# Altium PCB KASLI-DIOT-CPU.PcbDoc (part 4 of 5) (continued)
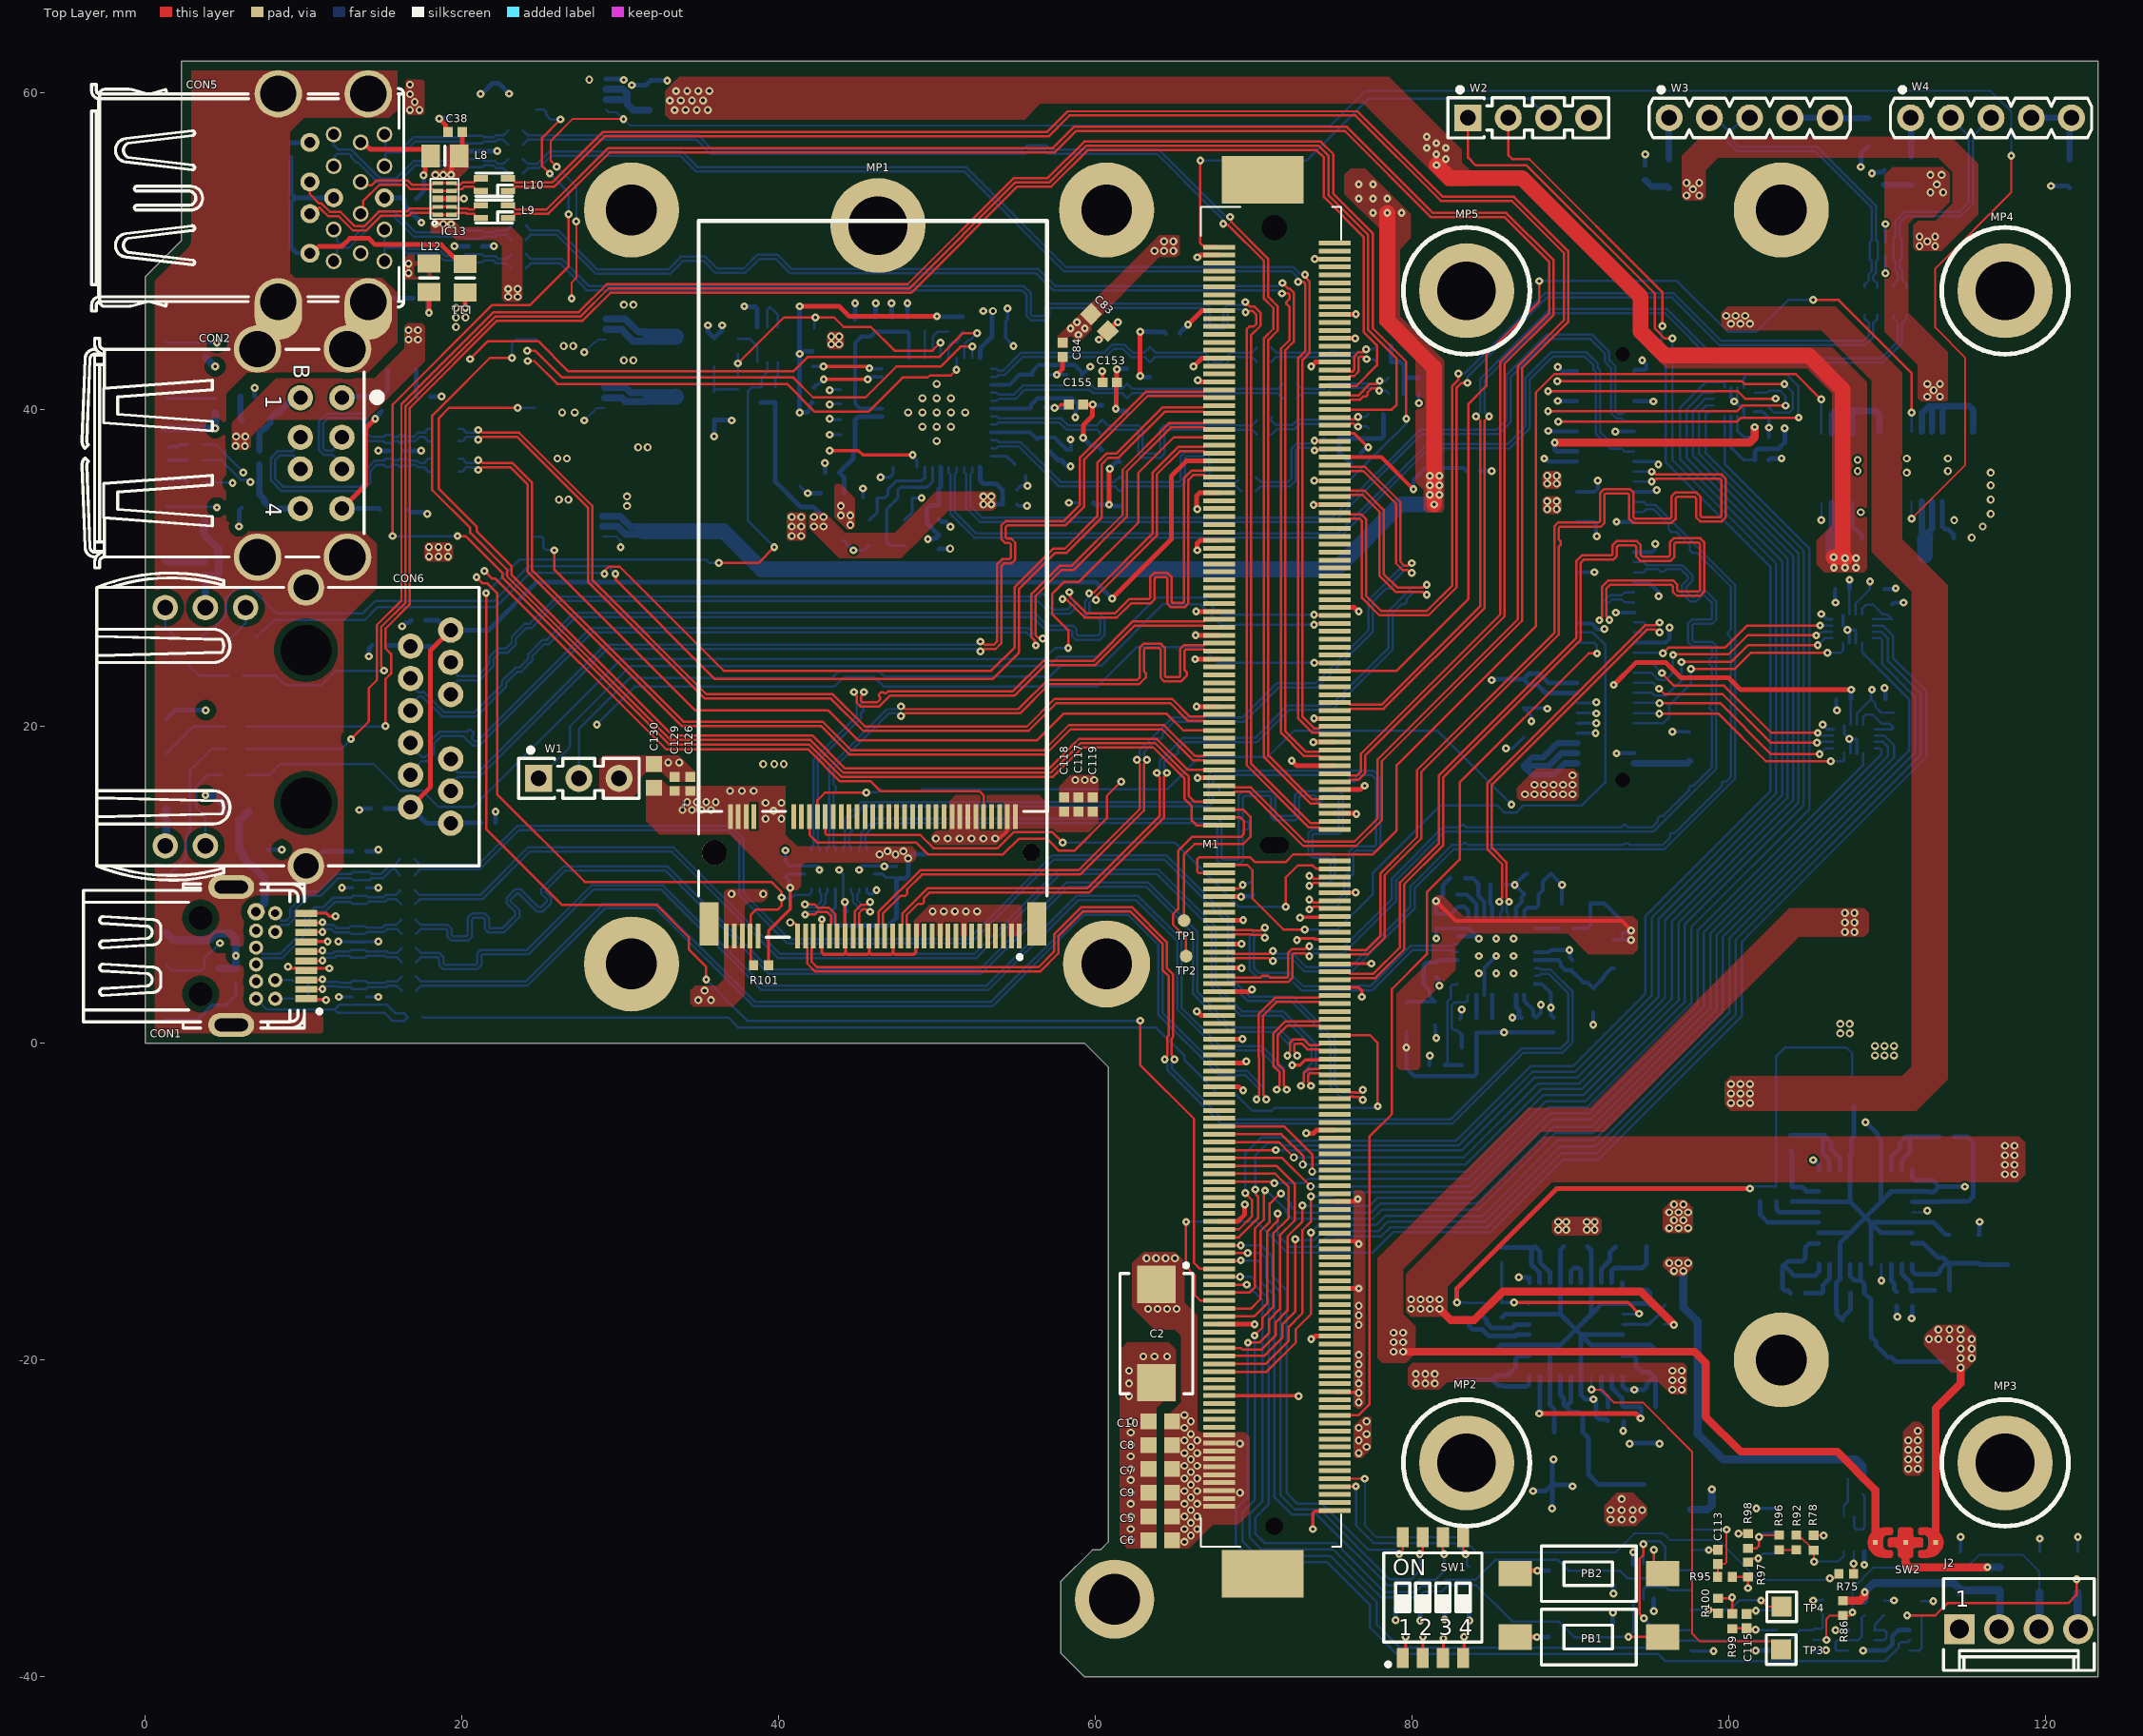
[diagram p0: Top Layer view]
## Nets (pads, with @x,y where several pads share a name; then routed paths per layer and width w, separated by ;. In a path a pad name is that pad's centre, name@x,y a point inside that pad or via, vN(x,y) a via of type N, cw(c..) or ccw(c..) an arc to the next point about the centre after c; other vN are vias at no path point) (continued)
  Bottom Layer w0.15: v1(73.495,5.492) 73.583,5.492 73.758,5.667 75.657,5.667 78.982,8.992 78.982,10.294 82.054,13.365 95.251,13.365 99.19,17.305 99.19,25.099 98.944,25.345 97.768,25.345 97.68,25.433 97.68,26.382 97.768,26.47 98.944,26.47 99.19,26.716 99.19,27.903 98.544,28.549 98.196,28.549 97.794,28.147 97.669,28.147 97.282,28.534 97.282,28.779 97.695,29.192 97.695,29.54 97.05,30.185 94.783,30.185 94.6,30.367 J1.40@94,30.367
PCIe1_TX_P: J1.42 M1.P89 | length 59.7
  Top Layer w0.15: M1.P89@67.8,4.25 68.65,4.25 68.765,4.135 70.415,4.135 70.415,4.147 70.524,4.256 70.906,4.256 71.028,4.135 72.066,4.135 72.153,4.223 72.153,5.691 72.399,5.937 73.232,5.937 73.407,6.112 v1(73.495,6.112)
  Bottom Layer w0.15: v1(73.495,6.112) 73.583,6.112 73.758,5.937 75.545,5.937 78.712,9.104 78.712,10.406 81.942,13.635 82.977,13.635 83.103,13.762 83.274,13.762 83.401,13.635 93.194,13.635 93.32,13.761 93.477,13.761 93.604,13.635 95.139,13.635 95.505,14.002 95.505,14.176 95.673,14.343 95.847,14.343 97.461,15.958 97.461,16.136 97.549,16.224 97.727,16.224 98.92,17.417 98.92,20.992 98.77,21.142 98.77,21.267 98.92,21.417 98.92,23.781 98.768,23.933 98.768,24.213 98.92,24.364 98.92,24.988 98.832,25.075 97.656,25.075 97.41,25.321 97.41,26.494 97.656,26.74 98.832,26.74 98.92,26.827 98.92,27.791 98.432,28.279 98.308,28.279 97.906,27.877 97.558,27.877 97.012,28.422 97.012,28.891 97.425,29.304 97.425,29.428 96.938,29.915 96.022,29.915 95.881,29.774 95.678,29.774 95.537,29.915 94.783,29.915 94.6,29.732 J1.42@94,29.732
PCIe2_CLK_N: IC22.19
PCIe2_CLK_P: IC22.18
PCIe2_rst_3V3: M1.S76
PCIe2_RX_N: J1.22 M1.S88 | length 59.6
  Top Layer w0.15: M1.S88@75.1,5.5 75.95,5.5 76.065,5.615 77.208,5.615 78.248,6.655 78.248,10.59 80.57,12.912 80.57,17.122 89.234,25.786 89.234,31.331 89.358,31.455 89.358,31.697 89.234,31.821 89.234,32.512 89.322,32.6 91.895,32.6 92.141,32.846 92.141,34.631 92.229,34.719 93.617,34.719 93.705,34.631 93.705,33.093 93.951,32.847 96.377,32.847 96.623,33.093 96.623,34.396 96.711,34.484 97.836,34.484 97.924,34.396 97.924,33.19 98.17,32.944 99.541,32.944 99.787,33.19 99.787,35.647 99.541,35.893 95.384,35.893 95.201,36.076 v1(95.122,36.076)
  Bottom Layer w0.15: J1.22@94,36.082 94.003,36.079 95.118,36.079 v1(95.122,36.076)
PCIe2_RX_P: J1.24 M1.S87 | length 58.6
  Top Layer w0.15: M1.S87@75.1,6 75.95,6 76.065,5.885 77.097,5.885 77.978,6.767 77.978,10.702 80.3,13.023 80.3,17.234 88.964,25.897 88.964,32.624 89.21,32.87 91.783,32.87 91.871,32.958 91.871,34.743 92.117,34.989 93.729,34.989 93.975,34.743 93.975,33.204 94.063,33.117 96.265,33.117 96.353,33.204 96.353,34.508 96.599,34.754 97.948,34.754 98.194,34.508 98.194,33.302 98.282,33.214 99.43,33.214 99.517,33.302 99.517,35.535 99.43,35.623 95.38,35.623 95.203,35.446 v1(95.118,35.446)
  Bottom Layer w0.15: J1.24@94,35.447 95.118,35.447 v1(95.118,35.446)
PCIe2_TX_N: J1.46 M1.S91 | length 59.7
  Top Layer w0.15: M1.S91@75.1,4 75.95,4 76.065,4.115 77.675,4.115 79.49,5.93 79.49,10.024 81.94,12.474 81.94,16.772 90.618,25.451 90.618,30.315 90.82,30.517 92.679,30.517 92.925,30.763 92.925,31.33 93.013,31.417 94.062,31.417 94.15,31.33 94.15,30.71 94.426,30.435 96.288,30.435 96.534,30.681 96.534,31.516 96.622,31.604 98.072,31.604 98.16,31.516 98.16,28.608 98.072,28.52 96.808,28.52 96.72,28.608 96.72,28.971 96.474,29.217 92.394,29.217 91.974,28.797 91.974,26.929 91.82,26.775 v1(91.82,26.7)
  Bottom Layer w0.15: v1(91.82,26.7) 91.82,26.78 91.998,26.958 91.998,27.801 92.477,28.28 93.217,28.28 93.4,28.462 J1.46@94,28.462
PCIe2_TX_P: J1.48 M1.S90 | length 59.7
  Top Layer w0.15: M1.S90@75.1,4.5 75.95,4.5 76.065,4.385 77.563,4.385 79.22,6.042 79.22,10.136 81.67,12.586 81.67,16.884 90.348,25.562 90.348,30.427 90.708,30.787 92.567,30.787 92.655,30.874 92.655,31.441 92.901,31.687 94.174,31.687 94.42,31.441 94.42,30.822 94.537,30.705 96.177,30.705 96.264,30.792 96.264,31.628 96.51,31.874 98.184,31.874 98.43,31.628 98.43,28.496 98.184,28.25 96.696,28.25 96.45,28.496 96.45,28.859 96.362,28.947 92.505,28.947 92.244,28.685 92.244,26.983 92.445,26.782 v1(92.445,26.72)
  Bottom Layer w0.15: v1(92.445,26.72) 92.445,26.805 92.268,26.983 92.268,27.689 92.588,28.01 93.217,28.01 93.4,27.827 J1.48@94,27.827
PCIe3_CLK_N: *.53 IC22.23 | length 69.7
  Top Layer w0.15: *.53@42.19,6.758 42.19,6.133 42.075,6.018 42.075,5.137 42.42,4.792 56.395,4.792 57.38,5.777 57.38,6.844 59.123,8.587 62.286,8.587 64.49,6.383 64.49,4.751 64.907,4.334 64.907,0.384 64.817,0.294 64.817,-0.772 64.992,-0.947 v1(64.992,-1.035)
  Bottom Layer w0.15: v1(64.992,-1.035) 64.992,-1.13 64.985,-1.13 64.817,-1.298 64.817,-1.585 68.051,-4.819 82.408,-4.819 86.883,-0.345 89.351,-0.345 89.862,0.166 89.862,3.129 88.626,4.365 88.115,4.365 88,4.25 IC22.23@87.75,4.25
PCIe3_CLK_P: *.55 IC22.22 | length 71.1
  Top Layer w0.15: *.55@41.69,6.758 41.69,6.133 41.805,6.018 41.805,5.025 42.308,4.522 56.507,4.522 57.65,5.665 57.65,6.732 59.235,8.317 62.174,8.317 64.22,6.271 64.22,4.639 64.637,4.222 64.637,0.496 64.547,0.406 64.547,-0.772 64.372,-0.947 v1(64.372,-1.035)
  Bottom Layer w0.15: v1(64.372,-1.035) 64.372,-1.123 64.547,-1.298 64.547,-1.696 67.939,-5.089 82.52,-5.089 86.995,-0.615 89.463,-0.615 90.132,0.054 90.132,3.241 88.738,4.635 88.115,4.635 88,4.75 IC22.22@87.75,4.75
PCIe3_CLKREQ#: *.52 D11.1 | length 5.3
  Top Layer w0.15: *.52@42.44,14.308 42.44,15.337 42.92,15.817 v1(45.52,15.817)
  Bottom Layer w0.15: v1(45.52,15.817) 45.957,15.817 45.982,15.842 46.245,15.842 D11.1@46.42,16.017
PCIe3_RST: *.50 M1.S77 | length 38.2
  Top Layer w0.15: *.50@42.94,14.308 42.94,13.234 43.028,13.147 48.94,13.147 49.77,12.317 53.82,12.317 54.842,13.338 57.248,13.338 v1(57.92,12.667) ; v1(72.02,8.617) 72.02,10.472 72.765,11.217 73.72,11.217 73.937,11 M1.S77@75.1,11
  Bottom Layer w0.15: v1(57.92,12.667) 64.998,12.667 69.048,8.617 v1(72.02,8.617)
PCIe3_RX_N: IC21.18 M1.S79 | length 52.9
  Top Layer w0.15: v1(73.495,9.94) 73.495,9.942 73.608,10.055 73.694,10.055 73.753,10.115 74.135,10.115 74.25,10 M1.S79@75.1,10
  Bottom Layer w0.15: IC21.18@45.07,12.142 45.07,12.372 45.185,12.487 45.185,13.266 46.073,14.154 67.722,14.154 67.968,13.908 67.968,11.661 68.056,11.573 68.955,11.573 69.043,11.661 69.043,15.642 69.289,15.888 71.108,15.888 71.354,15.642 71.354,14.424 71.442,14.336 72.501,14.336 72.588,14.424 72.588,15.652 72.834,15.898 75.374,15.898 75.62,15.652 75.62,13.463 75.374,13.217 73.796,13.217 73.708,13.129 73.708,12.074 73.796,11.987 74.808,11.987 75.115,11.68 75.115,10.505 74.725,10.115 73.758,10.115 73.583,9.94 v1(73.495,9.94)
PCIe3_RX_P: IC21.19 M1.S78 | length 52.9
  Top Layer w0.15: v1(73.495,10.56) 73.578,10.56 73.753,10.385 74.135,10.385 74.25,10.5 M1.S78@75.1,10.5
  Bottom Layer w0.15: IC21.19@45.57,12.142 45.57,12.372 45.455,12.487 45.455,13.154 46.185,13.884 47.138,13.884 47.306,13.717 47.515,13.717 47.682,13.884 67.61,13.884 67.698,13.796 67.698,11.549 67.944,11.303 69.067,11.303 69.313,11.549 69.313,13.427 69.4,13.514 69.616,13.514 69.704,13.602 69.704,13.892 69.616,13.98 69.4,13.98 69.313,14.068 69.313,15.53 69.4,15.618 70.996,15.618 71.084,15.53 71.084,14.312 71.33,14.066 72.612,14.066 72.858,14.312 72.858,15.54 72.946,15.628 73.844,15.628 73.932,15.54 73.932,15.304 74.02,15.217 74.222,15.217 74.31,15.304 74.31,15.54 74.398,15.628 75.262,15.628 75.35,15.54 75.35,13.574 75.262,13.487 73.684,13.487 73.438,13.241 73.438,11.963 73.684,11.717 74.697,11.717 74.845,11.568 74.845,10.617 74.613,10.385 73.758,10.385 73.583,10.56 v1(73.495,10.56)
PCIe3_TX_N: IC21.16 M1.S82 | length 51.9
  Top Layer w0.15: v1(73.495,8.44) 73.495,8.442 73.608,8.555 73.719,8.555 73.778,8.615 74.135,8.615 74.25,8.5 M1.S82@75.1,8.5
  Bottom Layer w0.15: IC21.16@44.07,12.142 44.07,12.372 44.185,12.487 44.185,14.211 45.191,15.217 67.067,15.217 67.155,15.304 67.155,16.941 67.401,17.187 77.566,17.187 77.99,16.763 77.99,12.405 77.732,12.147 76.448,12.147 76.29,11.989 76.29,10.699 75.975,10.384 75.975,9.365 75.225,8.615 73.758,8.615 73.583,8.44 v1(73.495,8.44)
PCIe3_TX_P: IC21.17 M1.S81 | length 51.9
  Top Layer w0.15: v1(73.495,9.06) 73.59,9.06 73.765,8.885 73.778,8.885 74.135,8.885 74.25,9 M1.S81@75.1,9
  Bottom Layer w0.15: IC21.17@44.57,12.142 44.57,12.372 44.455,12.487 44.455,13.229 44.618,13.392 44.618,13.516 44.455,13.678 44.455,14.099 44.732,14.376 44.927,14.376 45.075,14.525 45.075,14.719 45.303,14.947 67.178,14.947 67.424,15.193 67.424,15.643 67.512,15.731 67.723,15.731 67.811,15.819 67.811,16.061 67.723,16.149 67.512,16.149 67.424,16.237 67.424,16.829 67.512,16.917 75.914,16.917 76.011,16.819 76.011,16.614 76.108,16.517 76.354,16.517 76.442,16.604 76.442,16.829 76.53,16.917 77.455,16.917 77.72,16.651 77.72,12.517 77.62,12.417 76.336,12.417 76.099,12.179 76.02,12.1 76.02,10.811 75.705,10.496 75.705,9.477 75.113,8.885 73.758,8.885 73.583,9.06 v1(73.495,9.06)
PCIe4_CLK_N: IC22.28
PCIe4_CLK_P: IC22.27
PCIe4_RX_N: *.29 M1.S33 | length 57.6
  Top Layer w0.15: *.29@48.19,6.758 48.19,7.383 48.075,7.498 48.075,8.072 48.793,8.79 49.075,8.79 49.163,8.878 49.163,9.16 49.501,9.498 59.597,9.498 64.321,14.222 64.321,16.047 64.32,16.048 64.32,16.798 64.495,16.973 v1(64.495,17.061) ; M1.S33@75.1,34.5 75.95,34.5 76.065,34.615 76.872,34.615 77.923,33.564 77.923,29.514 78.945,28.492 80.657,28.492 80.832,28.317 v1(80.92,28.317)
  Bottom Layer w0.15: v1(64.495,17.061) 64.495,17.149 64.32,17.324 64.32,17.696 64.858,18.234 65.123,18.234 65.211,18.322 65.211,18.587 65.617,18.993 70.178,18.993 72.232,21.047 74.971,21.047 78.782,24.857 78.782,27.175 79.329,27.721 79.517,27.721 79.645,27.85 79.645,28.038 80.099,28.492 80.657,28.492 80.832,28.317 v1(80.92,28.317)
PCIe4_RX_P: *.31 M1.S32 | length 57.6
  Top Layer w0.15: *.31@47.69,6.758 47.69,7.383 47.805,7.498 47.805,8.183 49.389,9.768 59.485,9.768 64.051,14.333 64.051,15.935 64.05,15.936 64.05,16.798 63.875,16.973 v1(63.875,17.061) ; M1.S32@75.1,35 75.95,35 76.065,34.885 76.984,34.885 78.193,33.676 78.193,29.626 79.057,28.762 80.657,28.762 80.832,28.937 v1(80.92,28.937)
  Bottom Layer w0.15: v1(63.875,17.061) 63.875,17.149 64.05,17.324 64.05,17.808 65.505,19.263 70.067,19.263 72.12,21.317 74.859,21.317 78.512,24.969 78.512,27.286 79.987,28.762 80.657,28.762 80.832,28.937 v1(80.92,28.937)
PCIe4_TX_N: *.35 M1.S30 | length 57.6
  Top Layer w0.15: *.35@46.69,6.758 46.69,7.383 46.575,7.498 46.575,8.172 47.703,9.3 47.991,9.3 48.11,9.419 48.11,9.707 49.05,10.647 59.031,10.647 63.065,14.681 63.065,16.924 63.065,17.621 63.24,17.796 v1(63.24,17.884) ; M1.S30@75.1,36 75.95,36 76.065,36.115 76.912,36.115 78.977,34.05 78.977,30.29 79.396,29.872 79.703,29.872 79.889,29.686 v1(79.966,29.686)
  Bottom Layer w0.15: v1(63.24,17.884) 63.24,17.972 63.065,18.147 63.065,18.391 63.906,19.233 64.136,19.233 64.224,19.321 64.224,19.55 64.955,20.281 69.385,20.281 71.55,22.447 73.984,22.447 77.51,25.973 77.51,27.864 78.359,28.714 78.586,28.714 78.773,28.901 78.773,29.128 79.506,29.861 79.703,29.861 79.878,29.686 v1(79.966,29.686)
PCIe4_TX_P: *.37 M1.S29 | length 57.6
  Top Layer w0.15: *.37@46.19,6.758 46.19,7.383 46.305,7.498 46.305,8.283 48.938,10.917 58.919,10.917 62.795,14.793 62.795,16.812 62.795,17.621 62.62,17.796 v1(62.62,17.884) ; M1.S29@75.1,36.5 75.95,36.5 76.065,36.385 77.024,36.385 79.247,34.162 79.247,30.402 79.508,30.141 79.707,30.141 79.871,30.306 v1(79.966,30.306)
  Bottom Layer w0.15: v1(62.62,17.884) 62.62,17.972 62.795,18.147 62.795,18.503 64.843,20.551 69.273,20.551 71.438,22.717 73.872,22.717 77.24,26.084 77.24,27.976 79.395,30.131 79.703,30.131 79.878,30.306 v1(79.966,30.306)
PCIe_CLK_N: IC22.6 M1.P84 | length 20.3
  Top Layer w0.15: M1.P84@67.8,6.75 68.65,6.75 68.765,6.865 69.802,6.865 69.825,6.842 70.432,6.842 70.607,6.667 v1(70.695,6.667)
  Bottom Layer w0.15: v1(70.695,6.667) 70.695,6.817 70.67,6.842 70.192,6.842 70.012,6.661 70.012,4.731 70.306,4.437 72.275,4.437 73.122,3.589 76.481,3.589 76.524,3.632 77.116,3.632 77.159,3.589 77.341,3.589 79.886,6.135 82.485,6.135 82.6,6.25 IC22.6@82.85,6.25
PCIe_CLK_P: IC22.5 M1.P83 | length 21.2
  Top Layer w0.15: M1.P83@67.8,7.25 68.65,7.25 68.765,7.135 69.914,7.135 69.937,7.112 70.432,7.112 70.607,7.287 v1(70.695,7.287)
  Bottom Layer w0.15: v1(70.695,7.287) 70.695,7.137 70.67,7.112 70.08,7.112 69.742,6.773 69.742,4.619 70.194,4.167 72.163,4.167 73.011,3.319 76.593,3.319 76.636,3.362 77.004,3.362 77.047,3.319 77.452,3.319 79.998,5.865 82.485,5.865 82.6,5.75 IC22.5@82.85,5.75
PCIe_Wake_3V3: *.54 J1.55 M1.S146 | length 116.4
  Top Layer w0.15: *.54@41.94,14.308 41.94,13.147 42.42,12.667 48.67,12.667 49.42,11.917 54.17,11.917 55.17,12.917 56.92,12.917 57.67,12.167 58.686,12.167 60.72,14.201 60.72,15.617 v1(61.62,16.517) ; M1.S146@75.1,-23.5 76.603,-23.5 77.282,-22.821 77.282,-5.921 78.72,-4.483 78.72,3.417 80.92,5.617 80.92,9.517 82.992,11.589 82.992,16.46 91.149,24.617 91.642,24.617 v1(91.664,24.595)
  Layer 2 w0.15: v1(61.62,16.517) 61.988,16.149 69.952,16.149 70.82,17.017 76.137,17.017 83.737,24.617 91.642,24.617 v1(91.664,24.595)
  Bottom Layer w0.15: J1.55@90.4,25.287 91.449,25.287 91.664,25.073 v1(91.664,24.595)
PCIeA_CKREQ: M1.P78 R1.1 | length 2.4
  Top Layer w0.15: M1.P78@67.8,9.75 69.028,9.75 69.279,10.001 v1(69.291,10.001)
  Bottom Layer w0.15: v1(69.291,10.001) 69.386,10.001 69.487,10.102 69.705,10.102 R1.1@69.92,10.317
PCIeB_CKREQ: M1.P77
PCIeB_CLK_N: M1.S85
PCIeB_CLK_P: M1.S84
PCIeC_CLK_N: M1.P81
PCIeC_CLK_P: M1.P80
PHY_RSTn: IC17.43 R22.1 R33.1 R41.2 | length 18.1
  Top Layer w0.15: v1(37.42,42.917) 40.32,45.817 v1(42.32,45.817) 43.497,45.817 44.097,45.217 45.82,45.217 47.32,43.717 49.7,43.717 v1(50.213,44.229)
  Bottom Layer w0.15: R22.1@37.42,42.217 v1(37.42,42.917) R41.2@37.42,43.517 ; R33.1@42.26,45.117 42.26,45.757 v1(42.32,45.817) ; v1(50.213,44.229) 50.22,44.222 IC17.43@50.22,43.267
PWR_GOOD: IC19.26 IC20.11 R100.2 TP4.1 | length 31.2
  Top Layer w0.12: v1(102.02,-35.183) 102.42,-35.583 TP4.1@103.32,-35.583
  Top Layer w0.15: v1(98.72,-35.783) 98.722,-35.785 99.085,-35.785 R100.2@99.3,-36
  Layer 1 w0.15: v1(102.02,-35.183) 102.72,-34.483 102.72,-30.983 107.62,-26.083 107.62,-16.983 v1(109.62,-14.983)
  Bottom Layer w0.15: IC20.11@97.6,-35.805 97.622,-35.783 v1(98.72,-35.783) 100.045,-35.783 100.645,-35.183 v1(102.02,-35.183) ; IC19.26@109.6,-13.963 109.6,-14.963 v1(109.62,-14.983)
PWRBTN#_1V8: C114.2 D6.1 M1.P128 PB1.1 T5.6 | length 50.3
  Top Layer w0.15: M1.P128@67.8,-15.25 69.536,-15.25 v1(69.543,-15.244) ; v1(93.645,-37.483) 95.783,-37.483 PB1.1@95.8,-37.5
  Bottom Layer w0.15: v1(69.543,-15.244) 70.545,-16.246 70.545,-28.92 69.72,-29.745 69.72,-31.208 70.47,-31.958 74.995,-31.958 78.02,-34.983 80.395,-34.983 80.745,-34.633 81.845,-34.633 82.27,-34.208 84.02,-34.208 86.32,-36.508 89.245,-36.508 90.237,-37.5 D6.1@91.2,-37.5 92.653,-37.5 C114.2@92.67,-37.483 v1(93.645,-37.483) 93.95,-37.178 T5.6@93.95,-35.1
RESET_BTN#_1V8: C116.2 D9.1 M1.P127 PB2.1 T5.3 | length 50.5
  Top Layer w0.15: M1.P127@67.8,-14.75 69.128,-14.75 v1(69.137,-14.758) ; v1(95.245,-31.983) 95.245,-32.945 PB2.1@95.8,-33.5
  Bottom Layer w0.15: v1(69.137,-14.758) 69.857,-14.758 70.07,-14.971 70.07,-15.283 70.92,-16.133 70.92,-29.12 70.095,-29.945 70.095,-30.983 70.67,-31.558 75.145,-31.558 78.245,-34.658 80.195,-34.658 80.57,-34.283 81.67,-34.283 82.07,-33.883 83.995,-33.883 85.27,-32.608 89.17,-32.608 89.862,-33.3 D9.1@91.2,-33.3 92.653,-33.3 C116.2@92.67,-33.283 92.692,-33.305 93.117,-33.305 93.595,-33.783 94.995,-33.783 95.25,-33.528 T5.3@95.25,-32.9 95.25,-31.988 v1(95.245,-31.983)
RESET_OUT#_1V8: M1.P126 R68.1 T2.5 | length 113.4
  Top Layer w0.15: v1(21.52,28.417) 21.52,13.517 26.32,8.717 32.293,8.717 34.32,6.69 34.32,5.917 35.42,4.817 v1(35.42,4.017) ; v1(36.22,30.317) 38.72,30.317 v1(39.72,31.317) ; v1(62.82,1.417) 62.82,-1.383 66.22,-4.783 66.22,-13.883 66.587,-14.25 M1.P126@67.8,-14.25
  Bottom Layer w0.15: v1(21.52,28.417) 23.62,30.517 35.42,30.517 35.62,30.317 v1(36.22,30.317) ; v1(35.42,4.017) 38.039,1.397 62.801,1.397 v1(62.82,1.417) ; T2.5@39.287,42.988 39.287,42.384 38.92,42.017 38.92,41.42 R68.1@38.887,41.387 38.285,41.387 38.055,41.157 38.055,32.981 v1(39.72,31.317)
S3_RX_N: J1.34
S3_RX_P: J1.36
S3_TX_N: J1.4
S3_TX_P: J1.6
SATA0_RX_N: IC21.15 M1.P52 | length 38.2
  Top Layer w0.15: v1(47.72,20.642) 47.808,20.642 47.983,20.817 55.237,20.817 57.085,22.664 62.757,22.664 63.182,23.089 63.182,23.347 63.049,23.481 63.049,24.855 63.137,24.943 64.018,24.943 64.106,24.855 64.106,23.081 64.352,22.835 65.383,22.835 65.773,23.225 65.773,23.406 65.629,23.549 65.629,24.777 65.717,24.865 66.835,24.865 66.95,24.75 M1.P52@67.8,24.75
  Bottom Layer w0.15: IC21.15@43.57,12.142 43.57,12.372 43.455,12.487 43.455,15.803 43.593,15.941 43.593,16.213 43.455,16.351 43.455,17.323 46.049,19.917 46.219,19.917 46.307,20.004 46.307,20.175 46.949,20.817 47.57,20.817 47.72,20.667 v1(47.72,20.642)
SATA0_RX_P: IC21.14 M1.P51 | length 38.2
  Top Layer w0.15: v1(47.72,21.262) 47.808,21.262 47.983,21.087 55.125,21.087 56.973,22.934 62.643,22.934 62.779,23.071 62.779,24.966 63.025,25.212 64.13,25.212 64.376,24.966 64.376,23.193 64.464,23.105 65.271,23.105 65.359,23.193 65.359,24.889 65.605,25.135 66.835,25.135 66.95,25.25 M1.P51@67.8,25.25
  Bottom Layer w0.15: IC21.14@43.07,12.142 43.07,12.372 43.185,12.487 43.185,17.435 46.837,21.087 47.57,21.087 47.72,21.237 v1(47.72,21.262)
SATA0_TX_N: IC21.12 M1.P49 | length 37.2
  Top Layer w0.15: v1(44.75,22.167) 44.75,22.079 44.925,21.904 44.925,21.493 45.171,21.247 46.332,21.247 47.032,21.947 54.9,21.947 56.809,23.856 59.967,23.856 62.477,26.365 66.835,26.365 66.95,26.25 M1.P49@67.8,26.25
  Bottom Layer w0.15: IC21.12@42.07,12.142 42.07,12.372 42.185,12.487 42.185,17.889 44.92,20.624 44.92,21.436 44.925,21.441 44.925,21.904 44.75,22.079 v1(44.75,22.167)
SATA0_TX_P: IC21.13 M1.P48 | length 37.2
  Top Layer w0.15: v1(45.37,22.167) 45.37,22.079 45.195,21.904 45.195,21.604 45.283,21.517 46.22,21.517 46.406,21.703 46.406,21.827 46.33,21.903 46.33,22.027 46.47,22.167 46.594,22.167 46.67,22.091 46.794,22.091 46.92,22.217 54.788,22.217 56.697,24.126 59.856,24.126 62.365,26.635 66.835,26.635 66.95,26.75 M1.P48@67.8,26.75
  Bottom Layer w0.15: IC21.13@42.57,12.142 42.57,12.372 42.455,12.487 42.455,17.777 45.19,20.512 45.19,20.841 45.356,21.006 45.356,21.131 45.195,21.291 45.195,21.904 45.37,22.079 v1(45.37,22.167)
SER0_CTS: IC1.7 M1.P132 | length 76.5
  Top Layer w0.15: M1.P132@67.8,-17.25 70.003,-17.25 70.845,-16.408 70.845,-11.883 71.495,-11.233 v1(71.495,-10.758)
  Bottom Layer w0.15: v1(71.495,-10.758) 71.495,-12.083 72.267,-12.855 73.948,-12.855 74.595,-12.208 78.02,-12.208 78.595,-11.633 84.719,-11.633 89.406,-6.946 91.657,-6.946 100.42,1.817 100.42,6.517 112.089,18.185 112.089,22.073 110.02,24.142 110.02,25.569 109.622,25.967 IC1.7@109.1,25.967
SER0_RTS: IC2.7 M1.P131 | length 65.3
  Top Layer w0.15: M1.P131@67.8,-16.75 69.828,-16.75 70.419,-16.16 70.419,-11.86 70.994,-11.285 70.994,-10.135 71.629,-9.499 v1(71.711,-9.499)
  Bottom Layer w0.15: v1(71.711,-9.499) 72.333,-10.121 72.333,-10.321 72.702,-10.69 77.42,-10.69 77.978,-10.132 84.076,-10.132 88.925,-5.283 91.32,-5.283 98.82,2.217 98.82,6.917 110.02,18.117 110.02,18.717 109.72,19.017 IC2.7@109.175,19.017
SER0_RX: IC1.6 M1.P130 | length 79.9
  Top Layer w0.15: v1(65.72,-11.283) 65.72,-14.114 66.275,-14.669 66.275,-15.919 66.607,-16.25 M1.P130@67.8,-16.25
  Bottom Layer w0.15: v1(65.72,-11.283) 70.179,-11.283 72.129,-13.233 77.495,-13.233 78.795,-11.933 84.945,-11.933 89.506,-7.373 91.731,-7.373 100.82,1.717 100.82,6.417 112.461,18.058 112.461,22.224 110.349,24.337 110.349,25.731 109.713,26.367 IC1.6@109.1,26.367
SER0_TX: IC2.6 M1.P129 | length 66.2
  Top Layer w0.15: M1.P129@67.8,-15.75 69.726,-15.75 70.061,-15.416 70.061,-11.71 70.633,-11.137 v1@70.633,-9.467
  Bottom Layer w0.15: v1(70.704,-9.298) 70.798,-9.298 71.997,-10.498 71.997,-10.631 72.457,-11.091 77.509,-11.091 78.07,-10.53 84.173,-10.53 89.018,-5.686 91.418,-5.686 99.22,2.117 99.22,6.817 110.42,18.017 110.42,18.817 109.82,19.417 IC2.6@109.175,19.417
SER2_CTS: IC1.9 M1.P139 | length 74.1
  Top Layer w0.15: M1.P139@67.8,-20.75 70.803,-20.75 72.645,-18.908 72.645,-18.058 73.611,-17.092 v1(73.611,-11.958)
  Bottom Layer w0.15: v1(73.611,-11.958) 74.091,-11.478 77.725,-11.478 78.295,-10.908 84.427,-10.908 89.242,-6.093 91.51,-6.093 99.62,2.017 99.62,6.717 111.37,18.467 111.37,21.717 108.4,24.687 IC1.9@108.4,25.267
SER2_RTS: IC2.9 M1.P138 | length 64.4
  Top Layer w0.15: M1.P138@67.8,-20.25 70.728,-20.25 72.195,-18.783 72.195,-17.908 73.065,-17.038 73.065,-11.809 73.595,-11.279 v1(73.595,-9.683)
  Bottom Layer w0.15: v1(73.595,-9.683) 74.87,-9.683 75.16,-9.393 76.38,-9.393 ; 76.381,-9.393 76.749,-9.393 ; 76.75,-9.393 83.754,-9.393 88.732,-4.416 91.187,-4.416 98.02,2.417 98.02,7.117 108.475,17.572 IC2.9@108.475,18.317
SER2_RX: IC1.8 M1.P137 | length 74.3
  Top Layer w0.15: M1.P137@67.8,-19.75 70.653,-19.75 71.795,-18.608 71.795,-17.758 72.621,-16.933 v1(72.62,-12.385)
  Bottom Layer w0.15: v1(72.62,-12.385) 72.687,-12.452 73.802,-12.452 74.395,-11.858 77.87,-11.858 78.47,-11.258 84.595,-11.258 89.343,-6.51 91.593,-6.51 100.02,1.917 100.02,6.617 111.736,18.333 111.736,21.875 109.668,23.944 109.668,25.444 109.545,25.567 IC1.8@109.1,25.567
SER2_TX: IC2.8 M1.P136 | length 64.8
  Top Layer w0.15: M1.P136@67.8,-19.25 69.179,-19.25 69.282,-19.353 70.471,-19.353 71.395,-18.429 71.395,-17.608 72.125,-16.878 72.125,-12.202 73.07,-11.257 v1(73.07,-10.245)
  Bottom Layer w0.15: v1(73.07,-10.245) 73.108,-10.283 77.28,-10.283 77.788,-9.775 83.903,-9.775 88.855,-4.824 91.28,-4.824 98.42,2.317 98.42,7.017 109.634,18.23 109.634,18.504 109.53,18.607 109.185,18.607 IC2.8@109.175,18.617
SFP_LOS: IC17.24 | length 1.3
  Bottom Layer w0.2: v1(46.42,35.717) 47.02,35.717 47.22,35.917 IC17.24@47.22,36.367
SFPRX_N: IC17.17 J1.18 | length 58.2
  Bottom Layer w0.15: IC17.17@50.72,36.367 50.72,36.026 50.835,35.911 50.835,33.433 52.344,31.924 75.43,31.924 81.053,37.547 86.132,37.547 87.428,38.843 87.428,41.894 88.876,43.342 90.895,43.342 91.445,42.792 91.445,42.517 91.582,42.379 91.582,38.473 92.52,37.535 93.217,37.535 93.4,37.352 J1.18@94,37.352
SFPRX_P: IC17.16 J1.16 | length 57.8
  Bottom Layer w0.15: IC17.16@51.22,36.367 51.22,36.026 51.105,35.911 51.105,33.545 52.456,32.194 75.319,32.194 80.941,37.817 86.02,37.817 87.158,38.954 87.158,42.006 88.764,43.612 91.007,43.612 91.715,42.903 91.715,42.628 91.852,42.491 91.852,38.584 92.632,37.805 93.217,37.805 93.4,37.987 J1.16@94,37.987 ; J1.16@94,37.925 J1.16@94.049,37.925
SFPTX_N: IC17.14 J1.10 | length 55.3
  Bottom Layer w0.15: IC17.14@52.22,36.367 52.22,36.026 52.105,35.911 52.105,34.939 52.105,33.898 52.828,33.175 74.942,33.175 80.484,38.717 85.345,38.717 85.938,39.31 85.938,42.165 88.494,44.72 91.367,44.72 92.44,43.647 92.44,43.122 92.822,42.739 92.822,39.892 93.005,39.71 93.217,39.71 93.4,39.892 J1.10@94,39.892
SFPTX_P: IC17.15 J1.12 | length 55.7
  Bottom Layer w0.15: IC17.15@51.72,36.367 51.72,36.026 51.835,35.911 51.835,34.827 51.835,33.786 52.716,32.905 75.054,32.905 80.595,38.447 85.457,38.447 86.208,39.198 86.208,42.053 88.606,44.45 91.255,44.45 92.17,43.535 92.17,43.01 92.553,42.627 92.553,39.781 92.893,39.44 93.217,39.44 93.4,39.257 J1.12@94,39.257
SHIELD: C45.2 CON1.SHIELD CON2.SH CON5.19 CON5.20 CON6.18 CON6.19 R18.2 | length 6.2
  Bottom Layer w0.3: CON6.18@10.15,11.19 10.311,11.19 11.238,12.117 R18.2@13.05,12.117 ; CON5.20@14.08,46.8 14.297,47.017 C45.2@16.92,47.017
SLEEP_1V8: M1.S149
SMB_ALERT#_1V8: M1.P1 W2.3 | length 30.6
  Top Layer w0.15: v1(66.62,55.717) 66.62,50.501 66.796,50.325 67.725,50.325 M1.P1@67.8,50.25
  Bottom Layer w0.15: v1(66.62,55.717) 73.32,55.717 77.22,59.617 87.4,59.617 W2.3@88.6,58.417
SMB_CLK_1V8: M1.P121 W2.2 | length 102.3
  Top Layer w0.15: M1.P121@67.8,-11.75 69.067,-11.75 69.87,-10.947 69.87,-9.886 v1(69.456,-9.473) ; W2.2@86.06,58.417 86.06,56.077 86.32,55.817 87.387,55.817 95.785,47.419 v1(95.785,45.281)
  Bottom Layer w0.15: v1(69.456,-9.473) 69.456,-6.972 70.47,-5.958 71.995,-5.958 72.195,-6.158 82.77,-6.158 87.47,-1.458 90.145,-1.458 94.723,3.12 94.723,8.02 102.62,15.917 102.62,30.068 95.997,36.691 95.997,43.982 95.72,44.259 95.72,45.217 v1(95.785,45.281)
SMB_DAT_1V8: M1.P122 W2.1 | length 105.2
  Top Layer w0.15: M1.P122@67.8,-12.25 69.057,-12.25 70.256,-11.051 70.256,-9.69 70.133,-9.567 70.133,-9.292 v1(70.085,-9.244) ; W2.1@83.52,58.417 83.52,55.917 84.02,55.417 87.22,55.417 95.32,47.317 95.32,45.117 95.946,44.491 v1(96.431,44.491)
  Bottom Layer w0.15: v1(70.085,-9.244) 70.085,-7.093 70.872,-6.307 71.693,-6.307 71.845,-6.458 82.92,-6.458 87.57,-1.808 90.295,-1.808 95.123,3.02 95.123,7.92 102.97,15.767 102.97,30.266 96.431,36.805 v1(96.431,44.491)
UART.CTS1: IC2.14 J1.64 | length 14.2
  Top Layer w0.15: v1(95.585,22.373) 95.926,22.031 99.586,22.031 102.651,18.967 v1(105.545,18.967)
  Bottom Layer w0.15: J1.64@94,22.747 95.21,22.747 v1(95.585,22.373) ; v1(105.545,18.967) 105.595,19.017 IC2.14@106.575,19.017
UART.CTS2: IC2.12 J1.70 | length 15
  Top Layer w0.15: v1(95.595,20.792) 99.341,20.792 102.341,17.792 v1(106.42,17.792)
  Bottom Layer w0.15: J1.70@94,20.842 95.544,20.842 v1(95.595,20.792) ; v1(106.42,17.792) 107.195,17.792 107.275,17.872 IC2.12@107.275,18.317
UART.RTS1: IC1.14 J1.62 | length 14.6
  Top Layer w0.15: v1(96.466,24.505) 96.503,24.542 99.97,24.542 101.17,25.742 v1(105.506,25.742)
  Bottom Layer w0.15: J1.62@94,23.382 95.101,23.382 95.564,22.919 95.983,22.919 96.466,23.402 v1(96.466,24.505) ; v1(105.506,25.742) 105.589,25.742 105.769,25.922 105.929,25.922 105.999,25.992 106.14,25.992 106.155,25.976 106.49,25.976 IC1.14@106.5,25.967
UART.RTS2: IC1.12 J1.72 | length 16.6
  Top Layer w0.15: v1(97.59,23.616) 100.344,23.616 101.37,24.642 v1(106.22,24.642)
  Bottom Layer w0.15: J1.72@94,20.207 95.861,20.207 96.22,20.567 96.22,21.317 97.59,22.687 v1(97.59,23.616) ; v1(106.22,24.642) 107.045,24.642 107.2,24.797 IC1.12@107.2,25.267
UART.RX1: IC2.15 J1.60 | length 14.5
  Top Layer w0.15: v1(95.766,23.364) 95.766,23.343 96.54,22.57 99.69,22.57 102.67,19.589 v1(105.594,19.589)
  Bottom Layer w0.15: J1.60@94,24.017 95.112,24.017 v1(95.766,23.364) ; v1(105.594,19.589) 105.595,19.591 105.77,19.417 IC2.15@106.575,19.417
UART.RX2: IC2.13 J1.68 | length 14.1
  Top Layer w0.15: v1(95.62,21.467) 99.438,21.467 102.663,18.242 v1(105.72,18.242)
  Bottom Layer w0.15: J1.68@94,21.477 95.609,21.477 v1(95.62,21.467) ; v1(105.72,18.242) 106.095,18.617 IC2.13@106.575,18.617
UART.TX1: IC1.15 J1.58 | length 13.2
  Top Layer w0.15: v1(95.83,24.62) 96.176,24.967 99.745,24.967 101.145,26.367 v1(105.745,26.367)
  Bottom Layer w0.15: J1.58@94,24.652 95.798,24.652 v1(95.83,24.62) ; v1(105.745,26.367) IC1.15@106.5,26.367
UART.TX2: IC1.13 J1.66 | length 14.8
  Top Layer w0.15: v1(97.001,24.061) 100.139,24.061 101.195,25.117 v1(105.595,25.117)
  Bottom Layer w0.15: J1.66@94,22.112 95.124,22.112 95.309,21.928 96.031,21.928 97.001,22.897 v1(97.001,24.061) ; v1(105.595,25.117) 106.045,25.567 IC1.13@106.5,25.567
USB_0_N: L3.4 M1.P61 | length 59.9
  Top Layer w0.15: v1(21.02,38.09) 21.108,38.09 21.283,38.265 23.497,38.265 27.95,33.812 27.95,29.134 35.326,21.758 43.297,21.758 45.333,19.722 55.786,19.722 57.525,21.461 64.726,21.461 65.822,20.365 66.835,20.365 66.95,20.25 M1.P61@67.8,20.25
  Bottom Layer w0.15: L3.4@19.8,38 20.05,38 20.175,38.125 20.175,38.177 20.263,38.265 20.812,38.265 20.847,38.265 21.02,38.092 v1(21.02,38.09)
USB_0_OCn: IC7.5 M1.P62 | length 50.8
  Top Layer w0.15: v1(25.82,31.117) 25.82,29.917 34.737,21 43.137,21 45.02,19.117 56.284,19.117 57.962,20.795 64.492,20.795 65.537,19.75 M1.P62@67.8,19.75
  Bottom Layer w0.15: IC7.5@24.5,31.975 25,31.975 25.15,31.825 25.15,31.287 25.32,31.117 v1(25.82,31.117)
USB_0_P: L3.3 M1.P60 | length 59.9
  Top Layer w0.15: v1(21.02,38.71) 21.108,38.71 21.283,38.535 23.608,38.535 28.22,33.923 28.22,29.246 35.438,22.028 43.409,22.028 45.445,19.992 55.674,19.992 57.413,21.731 64.838,21.731 65.934,20.635 66.835,20.635 66.95,20.75 M1.P60@67.8,20.75
  Bottom Layer w0.15: L3.3@19.8,38.8 20.05,38.8 20.175,38.675 20.175,38.623 20.263,38.535 20.847,38.535 21.02,38.708 v1(21.02,38.71)
USB_1_N: L4.4 M1.P66 | length 60.6
  Top Layer w0.15: v1(21.02,36.192) 21.108,36.192 21.283,36.367 23.05,36.367 24.15,35.267 24.15,29.74 33.865,20.025 42.655,20.025 44.459,18.221 56.841,18.221 58.429,19.81 64.205,19.81 66.15,17.865 66.27,17.865 66.835,17.865 66.95,17.75 M1.P66@67.8,17.75
  Bottom Layer w0.15: L4.4@19.8,36.1 20.05,36.1 20.175,36.225 20.175,36.277 20.263,36.365 20.557,36.365 20.558,36.367 20.757,36.367 20.932,36.192 v1(21.02,36.192)